# Altium PCB PCB_machcambienHall.PcbDoc
Units mm, origin at the board's own origin, x right, y up, seen from the top; angles counter-clockwise.
Board outline 230 x 125 mm, 2 copper layers (Top Layer, Bottom Layer); 189 components, 122 nets, 498 pads, 0 vias.
Unrouted connection lines stored in the file: 329.
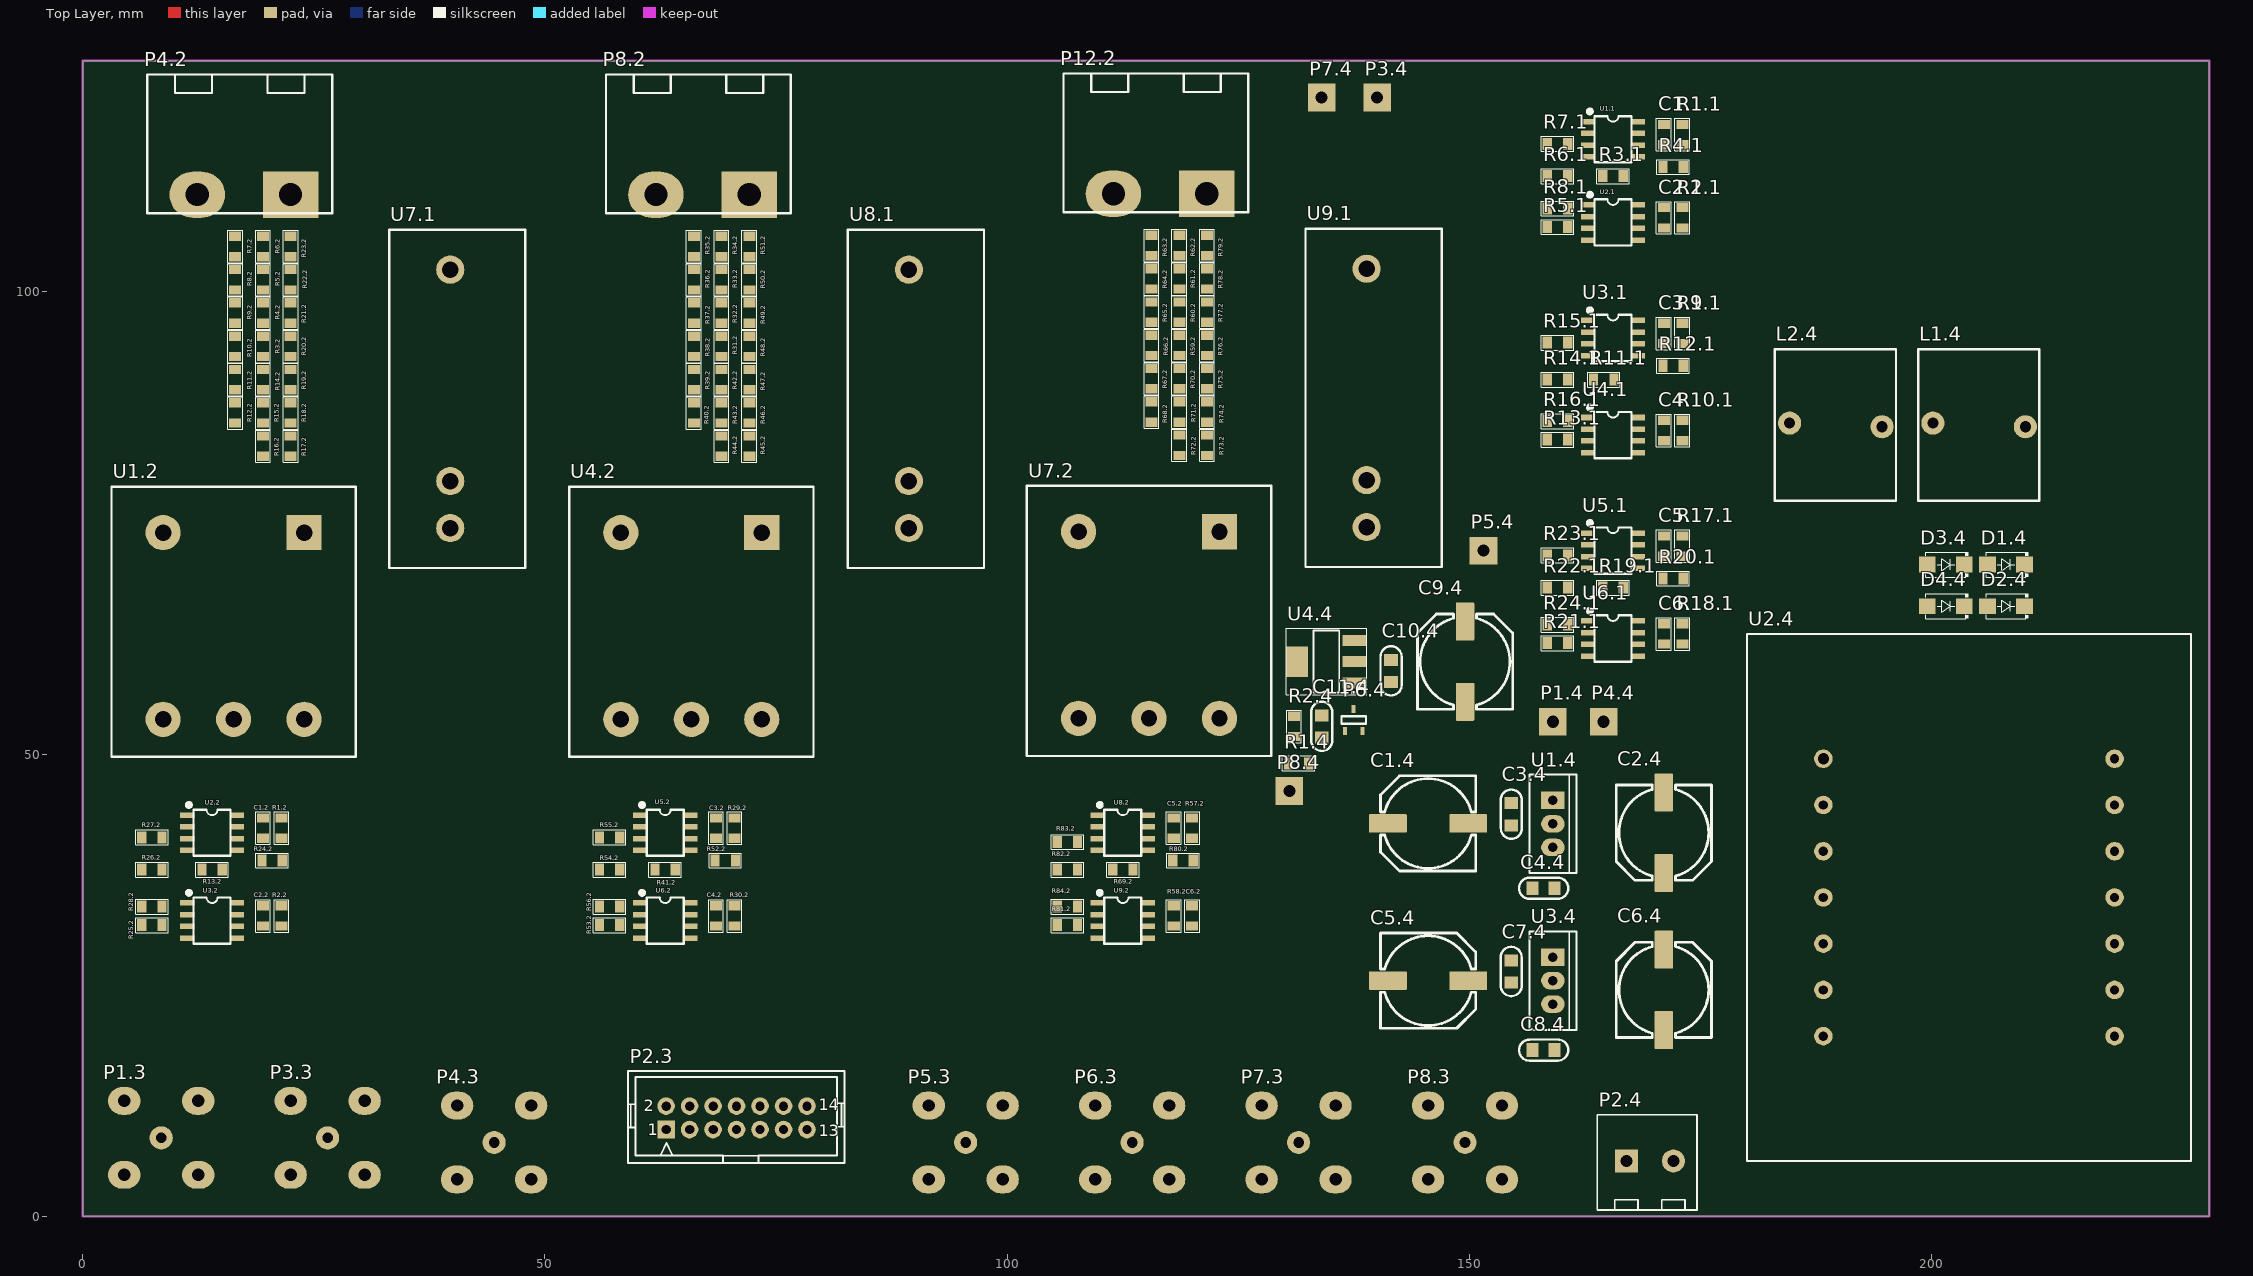
[diagram p0: Top Layer view]
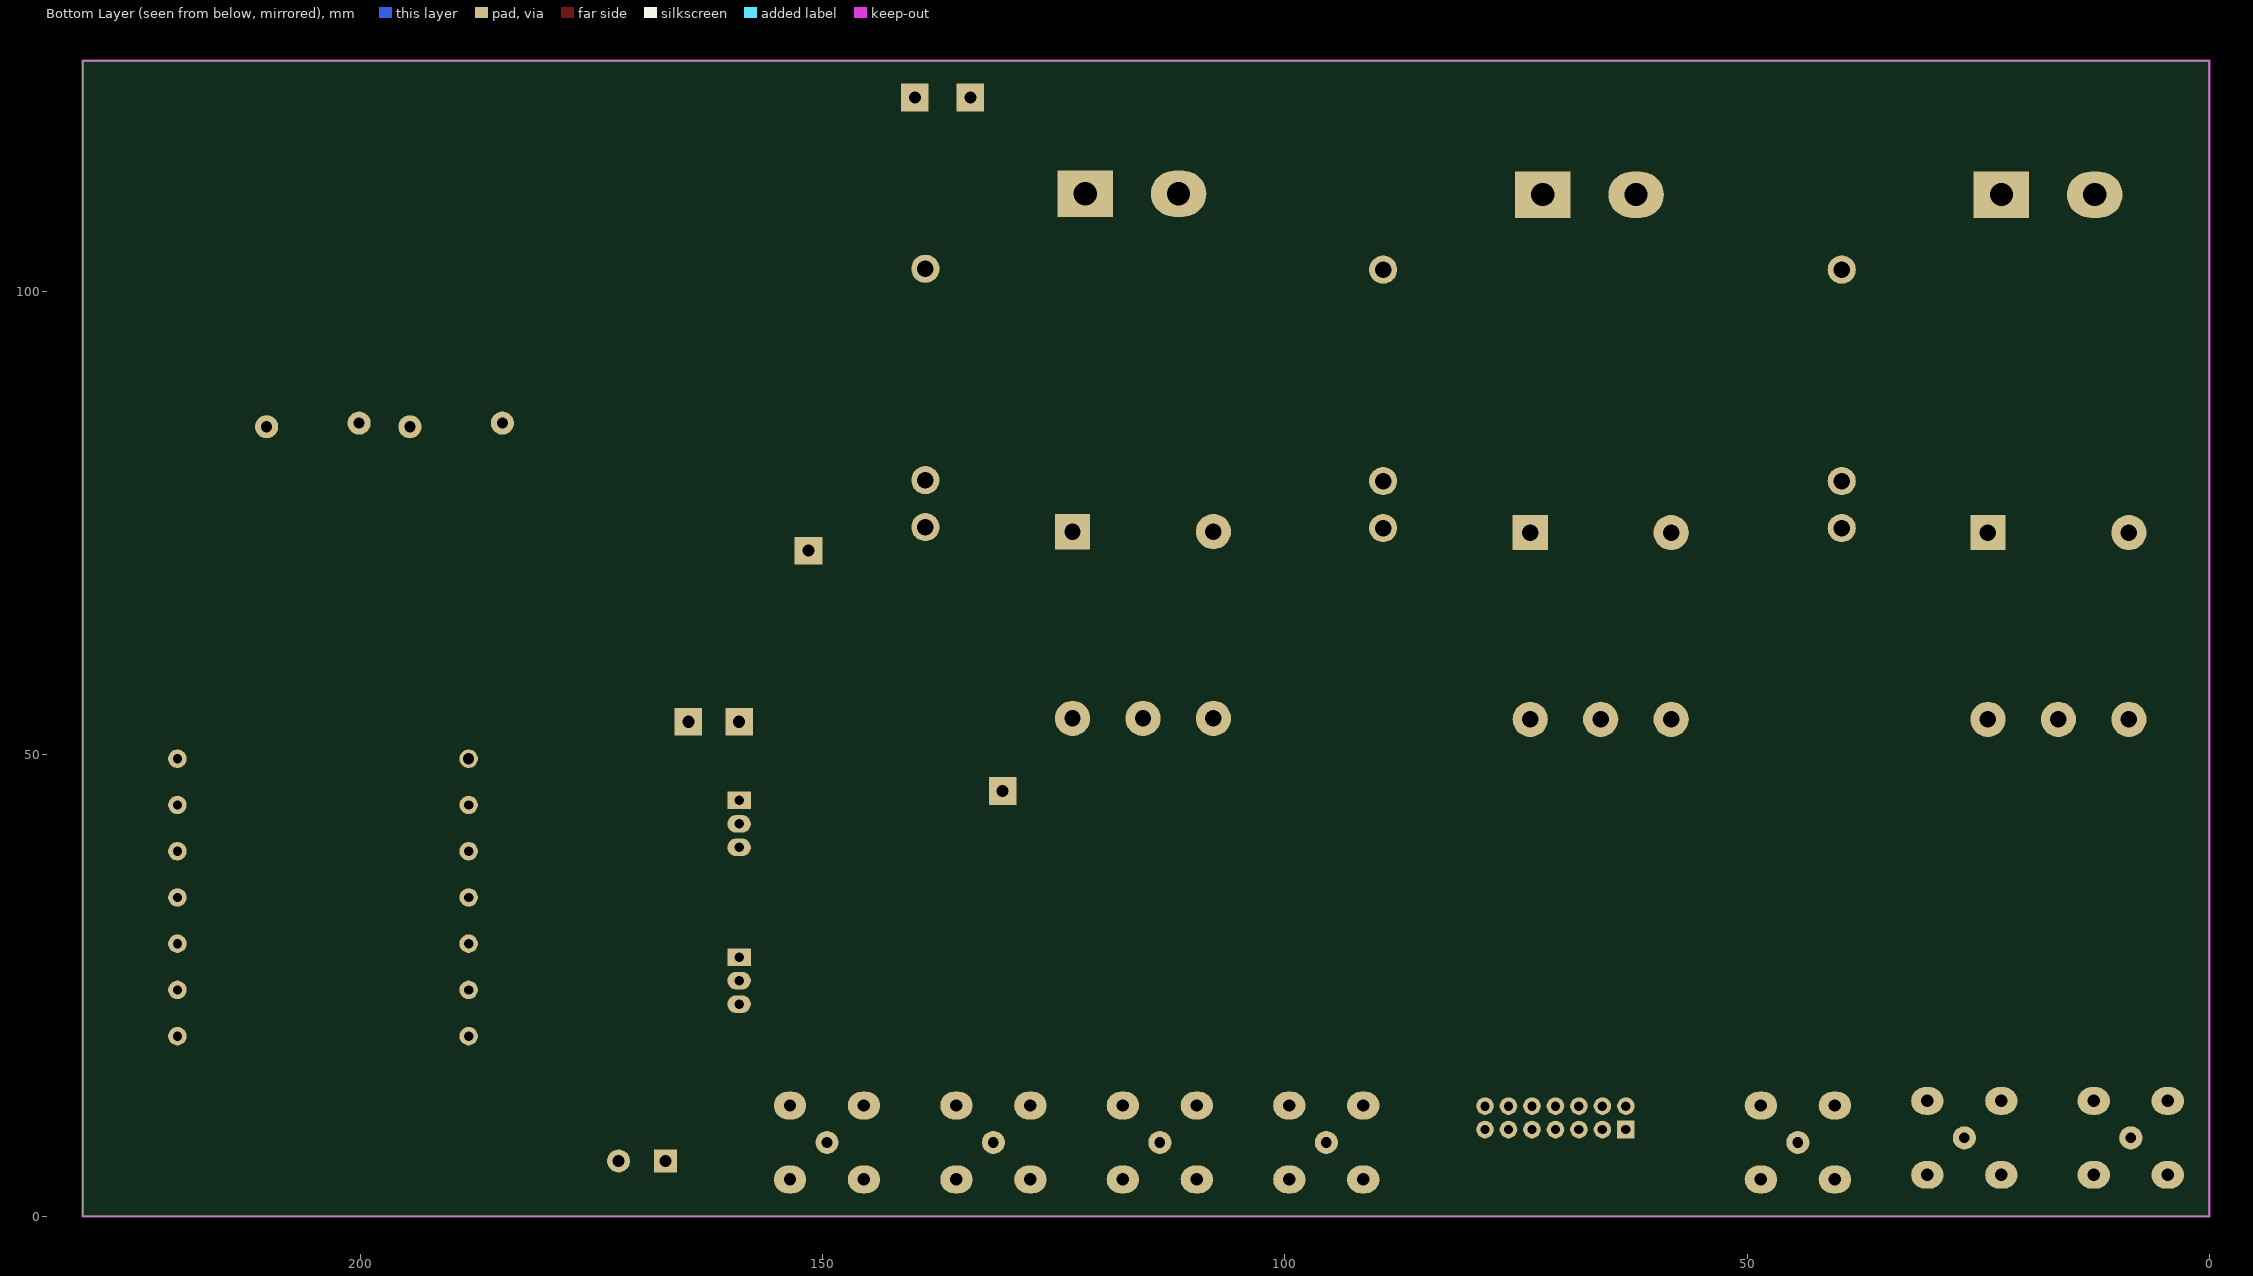
[diagram p1: Bottom Layer view, seen from below]

## Layer stack, top to bottom
Top Solder: solder mask 0.0102, Solder Resist, Dk 3.5
Top Layer: signal copper 0.0356
Dielectric 1: dielectric 0.32, FR-4, Dk 4.8
Bottom Layer: signal copper 0.0356
Bottom Solder: solder mask 0.0102, Solder Resist, Dk 3.5

## Board outline
0,0 230,0 230,125 0,125

## Design rules (kind name [scope] priority, off if disabled: settings)
Clearance [All] p1: gap=0.254
PolygonConnect [All] p1: connectstyle=Relief reliefconductorwidth=0.254 reliefentries=4 polygonreliefangle="90 Angle" airgapwidth=0.254
RoutingVias [All] p1: holewidth=0.711 width=1.27 viastyle="Through Hole" minholewidth=0.711 minwidth=1.27 maxholewidth=0.711 maxwidth=1.27
SolderMaskExpansion [All] p1: expansion=0.102
Width [All] p1: maxlimit=0.254 minlimit=0.254 preferedwidth=0.254
30 further rules are at their usual default settings.

## Classes and differential pairs
component class SCH_HallcurrentLA25p: C1.1 C2.1 C3.1 C4.1 C5.1 C6.1 R1.1 R2.1 R3.1 R4.1 R5.1 R6.1 R7.1 R8.1 R9.1 R10.1 R11.1 R12.1 R13.1 R14.1 R15.1 R16.1 R17.1 R18.1 R19.1 R20.1 R21.1 R22.1 R23.1 R24.1 U1.1 U2.1 U3.1 U4.1 U5.1 U6.1 U7.1 U8.1 U9.1
component class SCH_HallVoltageLV25np: C1.2 C2.2 C3.2 C4.2 C5.2 C6.2 P1.2 P2.2 P3.2 P4.2 P5.2 P6.2 P7.2 P8.2 P9.2 P10.2 P11.2 P12.2 R1.2 R2.2 R3.2 R4.2 R5.2 R6.2 R7.2 R8.2 R9.2 R10.2 R11.2 R12.2 R13.2 R14.2 R15.2 R16.2 R17.2 R18.2 R19.2 R20.2 R21.2 R22.2 R23.2 R24.2 R25.2 R26.2 R27.2 R28.2 R29.2 R30.2 R31.2 R32.2 R33.2 R34.2 R35.2 R36.2 R37.2 R38.2 R39.2 R40.2 R41.2 R42.2 R43.2 R44.2 R45.2 R46.2 R47.2 R48.2 R49.2 R50.2 R51.2 R52.2 R53.2 R54.2 R55.2 R56.2 R57.2 R58.2 R59.2 R60.2 R61.2 R62.2 R63.2 R64.2 R65.2 R66.2 R67.2 R68.2 R69.2 R70.2 R71.2 R72.2 R73.2 R74.2 R75.2 R76.2 R77.2 R78.2 R79.2 R80.2 R81.2 R82.2 R83.2 R84.2 U1.2 U2.2 U3.2 U4.2 U5.2 U6.2 U7.2 U8.2 U9.2
component class SCH_Output: P1.3 P2.3 P3.3 P4.3 P5.3 P6.3 P7.3 P8.3
component class SCH_power: C1.4 C2.4 C3.4 C4.4 C5.4 C6.4 C7.4 C8.4 C9.4 C10.4 C11.4 D1.4 D2.4 D3.4 D4.4 L1.4 L2.4 P1.4 P2.4 P3.4 P4.4 P5.4 P6.4 P7.4 P8.4 R1.4 R2.4 U1.4 U2.4 U3.4 U4.4

## Components (designator, comment, footprint, x,y, rotation, side; value= is the part's Value field where it differs from the comment)
C1.1 "100uF" CAPC0805 171,117 r270 top
C1.2 "Capacitor" CAPC0805 19.5,42 r270 top
C1.4 "Capacitor Polar" CAP_SMD_L=10.5 145.5,42.5 r0 top
C2.1 "100uF" CAPC0805 171,108 r90 top
C2.2 "Capacitor" CAPC0805 19.5,32.5 r90 top
C2.4 "Capacitor Polar" CAP_SMD_L=10.5 171,41.5 r90 top
C3.1 "100uF" CAPC0805 171,95.5 r270 top
C3.2 "Capacitor" CAPC0805 68.5,42 r270 top
C3.4 "100nF" C-NP-0805 154.5,43.5 r270 top
C4.1 "100uF" CAPC0805 171,85 r90 top
C4.2 "Capacitor" CAPC0805 68.5,32.5 r90 top
C4.4 "100nF" C-NP-0805 158,35.5 r180 top
C5.1 "100uF" CAPC0805 171,72.5 r270 top
C5.2 "Capacitor" CAPC0805 118,42 r270 top
C5.4 "Capacitor Polar" CAP_SMD_L=10.5 145.5,25.5 r180 top
C6.1 "100uF" CAPC0805 171,63 r90 top
C6.2 "Capacitor" CAPC0805 120,32.5 r90 top
C6.4 "Capacitor Polar" CAP_SMD_L=10.5 171,24.5 r270 top
C7.4 "100nF" C-NP-0805 154.5,26.5 r90 top
C8.4 "100nF" C-NP-0805 158,18 r180 top
C9.4 "Capacitor Polar" CAP_SMD_L=10.5 149.5,60 r270 top
C10.4 "100nF" C-NP-0805 141.5,59 r270 top
C11.4 "100nF" C-NP-0805 134,53 r270 top
D1.4 "Diode" DO-214AC 208,70.5 r0 top
D2.4 "Diode" DO-214AC 208,66 r0 top
D3.4 "Diode" DO-214AC 201.5,70.5 r0 top
D4.4 "Diode" DO-214AC 201.5,66 r0 top
L1.4 "Inductor" induction_coil 205,85.5 r180 top
L2.4 "Inductor" induction_coil 189.5,85.5 r180 top
P1.2 "testpin" tp_red_1p 1260.348,79.248 r0 top
P1.3 "BNC_2p" BNC_2p 8.5,8.5 r180 top
P1.4 "testpin" tp_red_1p 159,53.5 r0 top
P2.2 "testpin" tp_red_1p 1117.6,114.046 r90 top
P2.3 "header_2x7" hd_2x7 71,10.5 r0 top
P2.4 "Domino 2 pin" Domino_2pin_5.08mm 169.5,6 r0 top
P3.2 "testpin" tp_red_1p 1110.488,114.046 r90 top
P3.3 "BNC_2p" BNC_2p 26.5,8.5 r180 top
P3.4 "testpin" Tp_black_1p 140,121 r90 top
P4.2 "Domino 2 pin" terminal_2p_10mm 17,118.5 r180 top
P4.3 "BNC_2p" BNC_2p 44.5,8 r180 top
P4.4 "testpin" tp_red_1p 164.5,53.5 r0 top
P5.2 "testpin" tp_red_1p 923.544,114.046 r90 top
P5.3 "BNC_2p" BNC_2p 95.5,8 r180 top
P5.4 "testpin" tp_red_1p 151.5,72 r90 top
P6.2 "testpin" tp_red_1p 779.272,114.046 r90 top
P6.3 "BNC_2p" BNC_2p 113.5,8 r180 top
P6.4 "4.096V REF" SOT233 136.5,52.5 r0 top
P7.2 "testpin" tp_red_1p 772.16,114.046 r90 top
P7.3 "BNC_2p" BNC_2p 131.5,8 r180 top
P7.4 "testpin" tp_red_1p 134,121 r270 top
P8.2 "Domino 2 pin" terminal_2p_10mm 66.6,118.5 r180 top
P8.3 "BNC_2p" BNC_2p 149.5,8 r180 top
P8.4 "testpin" tp_red_1p 130.5,46 r180 top
P9.2 "testpin" tp_red_1p 585.216,114.046 r90 top
P10.2 "testpin" tp_red_1p 439.674,114.046 r90 top
P11.2 "testpin" tp_red_1p 431.546,114.046 r90 top
P12.2 "Domino 2 pin" terminal_2p_10mm 116.072,118.599 r180 top
R1.1 "Resistor" RESC0805 173,117 r90 top
R1.2 "Resistor" RESC0805 21.5,42 r90 top
R1.4 "Resistor" RESC0805 131.5,49 r0 top
R2.1 "Resistor" RESC0805 173,108 r270 top
R2.2 "Resistor" RESC0805 21.5,32.5 r270 top
R2.4 "Resistor" RESC0805 131,53 r270 top
R3.1 "Resistor" RESC0805 165.5,112.5 r180 top
R3.2 "Resistor" RESC0805 19.5,94.1 r90 top
R4.1 "Resistor" RESC0805 172,113.5 r180 top
R4.2 "Resistor" RESC0805 19.5,97.7 r270 top
R5.1 "Resistor" RESC0805 159.5,107 r180 top
R5.2 "Resistor" RESC0805 19.5,101.3 r90 top
R6.1 "Resistor" RESC0805 159.5,112.5 r0 top
R6.2 "Resistor" RESC0805 19.5,104.9 r270 top
R7.1 "Resistor" RESC0805 159.5,116 r0 top
R7.2 "Resistor" RESC0805 16.5,104.9 r270 top
R8.1 "Resistor" RESC0805 159.5,109 r0 top
R8.2 "Resistor" RESC0805 16.5,101.3 r90 top
R9.1 "Resistor" RESC0805 173,95.5 r90 top
R9.2 "Resistor" RESC0805 16.5,97.7 r270 top
R10.1 "Resistor" RESC0805 173,85 r270 top
R10.2 "Resistor" RESC0805 16.5,94.1 r90 top
R11.1 "Resistor" RESC0805 164.5,90.5 r180 top
R11.2 "Resistor" RESC0805 16.5,90.5 r270 top
R12.1 "Resistor" RESC0805 172,92 r180 top
R12.2 "Resistor" RESC0805 16.5,86.9 r90 top
R13.1 "Resistor" RESC0805 159.5,84 r180 top
R13.2 "Resistor" RESC0805 14,37.5 r180 top
R14.1 "Resistor" RESC0805 159.5,90.5 r0 top
R14.2 "Resistor" RESC0805 19.5,90.5 r270 top
R15.1 "Resistor" RESC0805 159.5,94.5 r0 top
R15.2 "Resistor" RESC0805 19.5,86.9 r90 top
R16.1 "Resistor" RESC0805 159.5,86 r0 top
R16.2 "Resistor" RESC0805 19.5,83.3 r270 top
R17.1 "Resistor" RESC0805 173,72.5 r90 top
R17.2 "Resistor" RESC0805 22.5,83.3 r270 top
R18.1 "Resistor" RESC0805 173,63 r270 top
R18.2 "Resistor" RESC0805 22.5,86.9 r90 top
R19.1 "Resistor" RESC0805 165.5,68 r180 top
R19.2 "Resistor" RESC0805 22.5,90.5 r270 top
R20.1 "Resistor" RESC0805 172,69 r180 top
R20.2 "Resistor" RESC0805 22.5,94.1 r90 top
R21.1 "Resistor" RESC0805 159.5,62 r180 top
R21.2 "Resistor" RESC0805 22.5,97.7 r270 top
R22.1 "Resistor" RESC0805 159.5,68 r0 top
R22.2 "Resistor" RESC0805 22.5,101.3 r90 top
R23.1 "Resistor" RESC0805 159.5,71.5 r0 top
R23.2 "Resistor" RESC0805 22.5,104.9 r270 top
R24.1 "Resistor" RESC0805 159.5,64 r0 top
R24.2 "Resistor" RESC0805 20.5,38.5 r180 top
R25.2 "Resistor" RESC0805 7.5,31.5 r180 top
R26.2 "Resistor" RESC0805 7.5,37.5 r0 top
R27.2 "Resistor" RESC0805 7.5,41 r0 top
R28.2 "Resistor" RESC0805 7.5,33.5 r0 top
R29.2 "Resistor" RESC0805 70.5,42 r90 top
R30.2 "Resistor" RESC0805 70.5,32.5 r270 top
R31.2 "Resistor" RESC0805 69.1,94.1 r90 top
R32.2 "Resistor" RESC0805 69.1,97.7 r270 top
R33.2 "Resistor" RESC0805 69.1,101.3 r90 top
R34.2 "Resistor" RESC0805 69.1,104.9 r270 top
R35.2 "Resistor" RESC0805 66.1,104.9 r270 top
R36.2 "Resistor" RESC0805 66.1,101.3 r90 top
R37.2 "Resistor" RESC0805 66.1,97.7 r270 top
R38.2 "Resistor" RESC0805 66.1,94.1 r90 top
R39.2 "Resistor" RESC0805 66.1,90.5 r270 top
R40.2 "Resistor" RESC0805 66.1,86.9 r90 top
R41.2 "Resistor" RESC0805 63,37.5 r180 top
R42.2 "Resistor" RESC0805 69.1,90.5 r270 top
R43.2 "Resistor" RESC0805 69.1,86.9 r90 top
R44.2 "Resistor" RESC0805 69.1,83.3 r270 top
R45.2 "Resistor" RESC0805 72.1,83.3 r270 top
R46.2 "Resistor" RESC0805 72.1,86.9 r90 top
R47.2 "Resistor" RESC0805 72.1,90.5 r270 top
R48.2 "Resistor" RESC0805 72.1,94.1 r90 top
R49.2 "Resistor" RESC0805 72.1,97.7 r270 top
R50.2 "Resistor" RESC0805 72.1,101.3 r90 top
R51.2 "Resistor" RESC0805 72.1,104.9 r270 top
R52.2 "Resistor" RESC0805 69.5,38.5 r180 top
R53.2 "Resistor" RESC0805 57,31.5 r180 top
R54.2 "Resistor" RESC0805 57,37.5 r0 top
R55.2 "Resistor" RESC0805 57,41 r0 top
R56.2 "Resistor" RESC0805 57,33.5 r0 top
R57.2 "Resistor" RESC0805 120,42 r90 top
R58.2 "Resistor" RESC0805 118,32.5 r270 top
R59.2 "Resistor" RESC0805 118.6,94.2 r90 top
R60.2 "Resistor" RESC0805 118.6,97.8 r270 top
R61.2 "Resistor" RESC0805 118.6,101.4 r90 top
R62.2 "Resistor" RESC0805 118.6,105 r270 top
R63.2 "Resistor" RESC0805 115.6,105 r270 top
R64.2 "Resistor" RESC0805 115.6,101.4 r90 top
R65.2 "Resistor" RESC0805 115.6,97.8 r270 top
R66.2 "Resistor" RESC0805 115.6,94.2 r90 top
R67.2 "Resistor" RESC0805 115.6,90.6 r270 top
R68.2 "Resistor" RESC0805 115.6,87 r90 top
R69.2 "Resistor" RESC0805 112.5,37.5 r180 top
R70.2 "Resistor" RESC0805 118.6,90.6 r270 top
R71.2 "Resistor" RESC0805 118.6,87 r90 top
R72.2 "Resistor" RESC0805 118.6,83.4 r270 top
R73.2 "Resistor" RESC0805 121.6,83.4 r270 top
R74.2 "Resistor" RESC0805 121.6,87 r90 top
R75.2 "Resistor" RESC0805 121.6,90.6 r270 top
R76.2 "Resistor" RESC0805 121.6,94.2 r90 top
R77.2 "Resistor" RESC0805 121.6,97.8 r270 top
R78.2 "Resistor" RESC0805 121.6,101.4 r90 top
R79.2 "Resistor" RESC0805 121.6,105 r270 top
R80.2 "Resistor" RESC0805 119,38.5 r180 top
R81.2 "Resistor" RESC0805 106.5,31.5 r180 top
R82.2 "Resistor" RESC0805 106.5,37.5 r0 top
R83.2 "Resistor" RESC0805 106.5,40.5 r0 top
R84.2 "Resistor" RESC0805 106.5,33.5 r0 top
U1.1 "opamp_741" SOIC-8_dan 165.5,116.5 r0 top
U1.2 "LEM Lv25_P" "LEN LV25_P" 16.2,63.8 r270 top
U1.4 "LM78xx" TO-220-3 159,45 r270 top
U2.1 "opamp_741" SOIC-8_dan 165.5,107.5 r0 top
U2.2 "opamp_741" SOIC-8_dan 14,41.5 r0 top
U2.4 "MBA 2VA" "mba 2Kva 48x57" 204,34.5 r0 top
U3.1 "opamp_741" SOIC-8_dan 165.5,95 r0 top
U3.2 "opamp_741" SOIC-8_dan 14,32 r0 top
U3.4 "79LXX" TO-220 159,25.5 r270 top
U4.1 "opamp_741" SOIC-8_dan 165.5,84.5 r0 top
U4.2 "LEM Lv25_P" "LEN LV25_P" 65.7,63.8 r270 top
U4.4 "LM1117MP-3.3TR" AMS1117 134.5,60 r180 top
U5.1 "opamp_741" SOIC-8_dan 165.5,72 r0 top
U5.2 "opamp_741" SOIC-8_dan 63,41.5 r0 top
U6.1 "opamp_741" SOIC-8_dan 165.5,62.5 r0 top
U6.2 "opamp_741" SOIC-8_dan 63,32 r0 top
U7.1 "LEM LA25_P" "LEM LA25_P" 40.9,88.8 r90 top
U7.2 "LEM Lv25_P" "LEN LV25_P" 115.2,63.9 r270 top
U8.1 "LEM LA25_P" "LEM LA25_P" 90.5,88.8 r90 top
U8.2 "opamp_741" SOIC-8_dan 112.5,41.5 r0 top
U9.1 "LEM LA25_P" "LEM LA25_P" 140,88.9 r90 top
U9.2 "opamp_741" SOIC-8_dan 112.5,32 r0 top

## Footprints (in the part's own frame and the unit in brackets; to place one, negate y for a bottom-side part, rotate by r counter-clockwise, add the part's x,y. Pads: shape width x height; smd on the part's side, far side on the other; paste and mask are expansions set on the pad)
AMS1117 [mm]
  rect 2.5x1.2 smd: 1(-3.027,2.3) 2(-3.027,0) 3(-3.027,-2.3)
  rect 2.4x3.3 smd: 2(3.154,0)
  silkscreen extent -4.35,-3.6 4.35,3.6, body extent -3.39,-3.27 3.5,3.23, height 1.72
BNC_2p [mm]
  round 2.5 hole 1.15: 1(0,0)
  oval 3.5x3 hole 1.35: 2(-4,4) 2(-4,-4) 2(4,4) 2(4,-4)
  body extent -6.5,-4.97 6.5,25.03, height 14.35
C-NP-0805 [mm] "Chip Capacitor; Non-polarized; Body 2.0 x 1.3 mm (LxW typ) [2012]"
  rect 1.3x1.5 smd: 1(-1.194,0) 2(1.194,0)
  silkscreen extent -2.67,-1.14 2.66,1.14, body extent -0.8,-0.43 0.8,0.43, height 0.79
CAP_SMD_L=10.5 [mm]
  rrect10% 4.1x2 smd mask+0.1: 1(-4.35,0) 2(4.35,0)
  silkscreen extent -5.15,-5.15 5.15,5.15, body extent -5.8,-5.15 5.8,5.15, height 10.2
CAPC0805 [mm] "Chip Capacitor, Body 2.0x1.3mm, IPC High Density"
  rect 1x1.3 smd: 1(-1.1,0) 2(1.1,0)
  silkscreen extent -1.75,-0.8 1.75,0.8, body extent -1.19,-0.72 1.21,0.74, height 0.65
DO-214AC [mm]
  rect 1.8x1.7 smd: 1(-2,0) 2(2,0)
  silkscreen extent -2.15,-1.36 2.45,1.36, body extent -2.49,-1.35 2.51,1.35, height 2.2
Domino_2pin_5.08mm [mm]
  rect 2.5x2.5 hole 1.3: 1(-2.54,0)
  round 2.5 hole 1.3: 2(2.54,0)
  silkscreen extent -5.7,-5.3 5.1,5, body extent -5.68,-5.3 5.08,5, height 14.19
hd_2x7 [mm]
  rect 1.905x1.905 hole 1.016: 1(-7.9,-1.1)
  round 1.905 hole 1.016: 2(-7.9,1.44) 3(-5.36,-1.1) 4(-5.36,1.44) 5(-2.82,-1.1) 6(-2.82,1.44) 7(-0.28,-1.1) 8(-0.28,1.44) 9(2.26,-1.1) 10(2.26,1.44) 11(4.8,-1.1) 12(4.8,1.44) 13(7.34,-1.1) 14(7.34,1.44)
  silkscreen extent -12,-4.7 11.4,5.22, body extent -11.09,-4.4 10.49,4.97, height 9.27
induction_coil [mm]
  round 2.5 hole 1.2: 1(-5.1,0.1) 2(4.9,-0.3)
  silkscreen extent -6.6,-8.3 6.5,8.1, body extent -5.6,-8.08 5.4,7.88, height 18.62
"LEM LA25_P" [mil]
  round 120 hole 70: 1(-565,45) 2(-365,45) 3(535,45)
  silkscreen extent -735,-275 705,305, body extent -735,-269 702,299, height 1135
"LEN LV25_P" [mil]
  rect 150x150 hole 70: 1(-400,305)
  round 150 hole 70: 2(-400,-295) 3(395,-295) 4(395,5) 5(395,305)
  silkscreen extent -595,-515 555,525, body extent -545,-505 605,519, height 708
"mba 2Kva 48x57" [mm]
  round 2 hole 1.2: 0(-15.75,15)
  round 2 hole 1: 1(15.75,15) 2(-15.75,10) 3(15.75,10) 4(-15.75,5) 5(15.75,5) 6(-15.75,0) 7(15.75,0) 8(-15.75,-5) 9(15.75,-5) 10(-15.75,-10) 11(15.75,-10) 12(-15.75,-15) 13(15.75,-15)
  round 3.175 on Top Overlay: ""(-18.42,21.615)
  silkscreen extent -24,-28.5 24,28.5, body extent -16,-17.5 15.5,17.5, height 28.93
RESC0805 [mm] "Chip Resistor, Body 2.0x1.3mm, IPC High Density"
  rect 1x1.3 smd: 1(-1.1,0) 2(1.1,0)
  silkscreen extent -1.75,-0.8 1.75,0.8, body extent -0.99,-0.62 1.01,0.63, height 0.45
SOIC-8_dan [mm]
  rect 1.55x0.6 smd: 1(-2.7,1.905) 2(-2.7,0.635) 3(-2.7,-0.635) 4(-2.7,-1.905) 5(2.7,-1.905) 6(2.7,-0.635) 7(2.7,0.635) 8(2.7,1.905)
  silkscreen extent -2.8,-2.5 2,3.3, body extent -3,-2.45 3,2.45, height 1.7
SOT233 [mm]
  rect 0.44x0.9 smd: 1(0,0) 2(1.92,0) 3(0.96,2.37)
  silkscreen extent -0.36,0.79 2.29,1.6, body extent -0.49,-0.05 2.43,2.43, height 1.04
terminal_2p_10mm [mm]
  rect 6x5 hole 2.5: 1(-5.5,8)
  oval 6x5 hole 2.5: 2(4.6,8)
  silkscreen extent -10,-5 10,10, body extent -10.4,-4.65 10.6,9.85, height 14.5
TO-220 [mil]
  rect 75x100 hole 40: 1(-100,0)
  oval 75x100 hole 40: 2(0,0) 3(100,0)
  silkscreen extent -210,-100 210,100, body extent -195,-83 195,94, height 760
TO-220-3 [mil] "TO-220; 3 Leads; Solder Pad 35mil"
  rect 75x100 hole 40: 1(0,0)
  oval 75x100 hole 40: 2(100,0) 3(200,0)
  silkscreen extent -110,-100 310,100, body extent -95,-83 295,94, height 760
Tp_black_1p [mm]
  rect 3x3 hole 1.3: 1(0,0)
  body extent -1.15,-1.15 1.15,1.15, height 5
tp_red_1p [mm]
  rect 3x3 hole 1.3: 1(0,0)
  body extent -1.15,-1.15 1.15,1.15, height 5

## Part data
C1.1 C1.2 C2.1 C2.2 C3.1 C3.2 C3.4 C4.1 C4.2 C4.4 C5.1 C5.2 C6.1 C6.2 C7.4 C8.4 C10.4 C11.4: library part capacitor_non_polar, "capacitor non polar"
C1.4 C2.4 C5.4 C6.4 C9.4: library part "capacitor_polar 6.3x11mm", "capacitor polar"
D1.4 D2.4 D3.4 D4.4: library part diode, "diode"
P2.3: library part header_2x7pin
P2.4: library part domino_2pin, "domino 2 pin"
P4.2 P8.2 P12.2: library part terminal_2p, "domino 2 pin"
P6.4: library part MCP1541T
R1.1 R1.2 R1.4 R2.1 R2.2 R2.4 R3.1 R3.2 R4.1 R4.2 R5.1 R5.2 R6.1 R6.2 R7.1 R7.2 R8.1 R8.2 R9.1 R9.2 R10.1 R10.2 R11.1 R11.2 R12.1 R12.2 R13.1 R13.2 R14.1 R14.2 R15.1 R15.2 R16.1 R16.2 R17.1 R17.2 R18.1 R18.2 R19.1 R19.2 R20.1 R20.2 R21.1 R21.2 R22.1 R22.2 R23.1 R23.2 R24.1 R24.2 R25.2 R26.2 R27.2 R28.2 R29.2 R30.2 R31.2 R32.2 R33.2 R34.2 R35.2 R36.2 R37.2 R38.2 R39.2 R40.2 R41.2 R42.2 R43.2 R44.2 R45.2 R46.2 R47.2 R48.2 R49.2 R50.2 R51.2 R52.2 R53.2 R54.2 R55.2 R56.2 R57.2 R58.2 R59.2 R60.2 R61.2 R62.2 R63.2 R64.2 R65.2 R66.2 R67.2 R68.2 R69.2 R70.2 R71.2 R72.2 R73.2 R74.2 R75.2 R76.2 R77.2 R78.2 R79.2 R80.2 R81.2 R82.2 R83.2 R84.2: library part resistor, "resistor"
U1.1 U2.1 U2.2 U3.1 U3.2 U4.1 U5.1 U5.2 U6.1 U6.2 U8.2 U9.2: library part "opamp 741"
U1.2 U4.2 U7.2: library part "LEM LV25_P"
U1.4: "Regulator"
U2.4: library part "MBA 2Va 48x57 mm"
U3.4: library part LM79LXX, "3-Terminal Negative Regulator"
U4.4: "3.3V 800mA Low-Dropout Linear Regulator"

## Nets (pads, with @x,y where several pads share a name; then routed paths per layer and width w, separated by ;. In a path a pad name is that pad's centre, name@x,y a point inside that pad or via, vN(x,y) a via of type N, cw(c..) or ccw(c..) an arc to the next point about the centre after c; other vN are vias at no path point)
+15V: C2.4.1 C4.4.1 P1.4.1 U1.1.7 U1.2.4 U1.4.3 U2.1.7 U2.2.7 U3.1.7 U3.2.7 U4.1.7 U4.2.4 U4.4.3 U5.1.7 U5.2.7 U6.1.7 U6.2.7 U7.1.3 U7.2.4 U8.1.3 U8.2.7 U9.1.3 U9.2.7
-15V: C6.4.2 C8.4.1 P4.4.1 U1.1.4 U1.2.5 U2.1.4 U2.2.4 U3.1.4 U3.2.4 U3.4.3 U4.1.4 U4.2.5 U5.1.4 U5.2.4 U6.1.4 U6.2.4 U7.1.2 U7.2.5 U8.1.2 U8.2.4 U9.1.2 U9.2.4
GND: C1.4.2 C2.4.2 C3.4.2 C4.4.2 C5.4.1 C6.4.1 C7.4.2 C8.4.2 C9.4.2 C10.4.2 C11.4.1 P1.3.2 P2.3.2 P2.3.4 P2.3.6 P2.3.8 P2.3.10 P2.3.12 P2.3.14 P3.3.2 P3.4.1 P4.3.2 P5.3.2 P6.3.2 P6.4.3 P7.3.2 P7.4.1 P8.3.2 R2.4.1 R6.1.1 R7.1.1 R8.1.1 R14.1.1 R15.1.1 R16.1.1 R22.1.1 R23.1.1 R24.1.1 R26.2.1 R27.2.1 R28.2.1 R54.2.1 R55.2.1 R56.2.1 R82.2.1 R83.2.1 R84.2.1 U1.4.2 U3.4.1 U4.4.1
NetC1.1_1: C1.1.1 R1.1.2 R3.1.1 U1.1.2
NetC1.1_2: C1.1.2 R1.1.1 R4.1.2 U1.1.6
NetC1.2_1: C1.2.1 R1.2.2 R13.2.1 U2.2.2
NetC1.2_2: C1.2.2 P2.2.1 R1.2.1 R24.2.2 U2.2.6
NetC1.4_1: C1.4.1 C3.4.1 L1.4.2 U1.4.1
NetC2.1_1: C2.1.1 R2.1.2 R4.1.1 U2.1.2
NetC2.1_2: C2.1.2 P2.3.7 P5.3.1 R2.1.1 U2.1.6
NetC2.2_1: C2.2.1 R2.2.2 R24.2.1 U3.2.2
NetC2.2_2: C2.2.2 P1.3.1 P2.3.1 P3.2.1 R2.2.1 U3.2.6
NetC3.1_1: C3.1.1 R9.1.2 R11.1.1 U3.1.2
NetC3.1_2: C3.1.2 R9.1.1 R12.1.2 U3.1.6
NetC3.2_1: C3.2.1 R29.2.2 R41.2.1 U5.2.2
NetC3.2_2: C3.2.2 P6.2.1 R29.2.1 R52.2.2 U5.2.6
NetC4.1_1: C4.1.1 R10.1.2 R12.1.1 U4.1.2
NetC4.1_2: C4.1.2 P2.3.9 P6.3.1 R10.1.1 U4.1.6
NetC4.2_1: C4.2.1 R30.2.2 R52.2.1 U6.2.2
NetC4.2_2: C4.2.2 P2.3.3 P3.3.1 P7.2.1 R30.2.1 U6.2.6
NetC5.1_1: C5.1.1 R17.1.2 R19.1.1 U5.1.2
NetC5.1_2: C5.1.2 R17.1.1 R20.1.2 U5.1.6
NetC5.2_1: C5.2.1 R57.2.2 R69.2.1 U8.2.2
NetC5.2_2: C5.2.2 P10.2.1 R57.2.1 R80.2.2 U8.2.6
NetC5.4_2: C5.4.2 C7.4.1 L2.4.2 U3.4.2
NetC6.1_1: C6.1.1 R18.1.2 R20.1.1 U6.1.2
NetC6.1_2: C6.1.2 P2.3.11 P7.3.1 R18.1.1 U6.1.6
NetC6.2_1: C6.2.1 R58.2.2 R80.2.1 U9.2.2
NetC6.2_2: C6.2.2 P2.3.5 P4.3.1 P11.2.1 R58.2.1 U9.2.6
NetC9.4_1: C9.4.1 C10.4.1 P5.4.1 P6.4.1 U4.4.2
NetC11.4_2: C11.4.2 P2.3.13 P8.3.1 P8.4.1 R1.4.1 R2.4.2 R5.1.2 R13.1.2 R21.1.2 R25.2.2 R53.2.2 R81.2.2
NetD1.4_1: D1.4.1 D3.4.2 U2.4.3
NetD1.4_2: D1.4.2 D2.4.2 L1.4.1
NetD2.4_1: D2.4.1 D4.4.2 U2.4.11
NetD3.4_1: D3.4.1 D4.4.1 L2.4.1
NetP1.2_1: P1.2.1 R13.2.2 R26.2.2 U1.2.3
NetP2.4_1: P2.4.1 U2.4.0
NetP2.4_2: P2.4.2 U2.4.12
NetP4.2_1: P4.2.1 R23.2.1
NetP4.2_2: P4.2.2 U1.2.2
NetP5.2_1: P5.2.1 R41.2.2 R54.2.2 U4.2.3
NetP6.4_2: P6.4.2 R1.4.2
NetP8.2_1: P8.2.1 R51.2.1
NetP8.2_2: P8.2.2 U4.2.2
NetP9.2_1: P9.2.1 R69.2.2 R82.2.2 U7.2.3
NetP12.2_1: P12.2.1 R79.2.1
NetP12.2_2: P12.2.2 U7.2.2
NetR3.1_2: R3.1.2 R6.1.2 U7.1.1
NetR3.2_1: R3.2.1 R14.2.1
NetR3.2_2: R3.2.2 R4.2.2
NetR4.2_1: R4.2.1 R5.2.1
NetR5.1_1: R5.1.1 R8.1.2 U2.1.3
NetR5.2_2: R5.2.2 R6.2.2
NetR6.2_1: R6.2.1 R7.2.1
NetR7.1_2: R7.1.2 U1.1.3
NetR7.2_2: R7.2.2 R8.2.2
NetR8.2_1: R8.2.1 R9.2.1
NetR9.2_2: R9.2.2 R10.2.2
NetR10.2_1: R10.2.1 R11.2.1
NetR11.1_2: R11.1.2 R14.1.2 U8.1.1
NetR11.2_2: R11.2.2 R12.2.2
NetR12.2_1: R12.2.1 U1.2.1
NetR13.1_1: R13.1.1 R16.1.2 U4.1.3
NetR14.2_2: R14.2.2 R15.2.2
NetR15.1_2: R15.1.2 U3.1.3
NetR15.2_1: R15.2.1 R16.2.1
NetR16.2_2: R16.2.2 R17.2.2
NetR17.2_1: R17.2.1 R18.2.1
NetR18.2_2: R18.2.2 R19.2.2
NetR19.1_2: R19.1.2 R22.1.2 U9.1.1
NetR19.2_1: R19.2.1 R20.2.1
NetR20.2_2: R20.2.2 R21.2.2
NetR21.1_1: R21.1.1 R24.1.2 U6.1.3
NetR21.2_1: R21.2.1 R22.2.1
NetR22.2_2: R22.2.2 R23.2.2
NetR23.1_2: R23.1.2 U5.1.3
NetR25.2_1: R25.2.1 R28.2.2 U3.2.3
NetR27.2_2: R27.2.2 U2.2.3
NetR31.2_1: R31.2.1 R42.2.1
NetR31.2_2: R31.2.2 R32.2.2
NetR32.2_1: R32.2.1 R33.2.1
NetR33.2_2: R33.2.2 R34.2.2
NetR34.2_1: R34.2.1 R35.2.1
NetR35.2_2: R35.2.2 R36.2.2
NetR36.2_1: R36.2.1 R37.2.1
NetR37.2_2: R37.2.2 R38.2.2
NetR38.2_1: R38.2.1 R39.2.1
NetR39.2_2: R39.2.2 R40.2.2
NetR40.2_1: R40.2.1 U4.2.1
NetR42.2_2: R42.2.2 R43.2.2
NetR43.2_1: R43.2.1 R44.2.1
NetR44.2_2: R44.2.2 R45.2.2
NetR45.2_1: R45.2.1 R46.2.1
NetR46.2_2: R46.2.2 R47.2.2
NetR47.2_1: R47.2.1 R48.2.1
NetR48.2_2: R48.2.2 R49.2.2
NetR49.2_1: R49.2.1 R50.2.1
NetR50.2_2: R50.2.2 R51.2.2
NetR53.2_1: R53.2.1 R56.2.2 U6.2.3
NetR55.2_2: R55.2.2 U5.2.3
NetR59.2_1: R59.2.1 R70.2.1
NetR59.2_2: R59.2.2 R60.2.2
NetR60.2_1: R60.2.1 R61.2.1
NetR61.2_2: R61.2.2 R62.2.2
NetR62.2_1: R62.2.1 R63.2.1
NetR63.2_2: R63.2.2 R64.2.2
NetR64.2_1: R64.2.1 R65.2.1
NetR65.2_2: R65.2.2 R66.2.2
NetR66.2_1: R66.2.1 R67.2.1
NetR67.2_2: R67.2.2 R68.2.2
NetR68.2_1: R68.2.1 U7.2.1
NetR70.2_2: R70.2.2 R71.2.2
NetR71.2_1: R71.2.1 R72.2.1
NetR72.2_2: R72.2.2 R73.2.2
NetR73.2_1: R73.2.1 R74.2.1
NetR74.2_2: R74.2.2 R75.2.2
NetR75.2_1: R75.2.1 R76.2.1
NetR76.2_2: R76.2.2 R77.2.2
NetR77.2_1: R77.2.1 R78.2.1
NetR78.2_2: R78.2.2 R79.2.2
NetR81.2_1: R81.2.1 R84.2.2 U9.2.3
NetR83.2_2: R83.2.2 U8.2.3
pads on no net: U1.1.1 U1.1.5 U1.1.8 U2.1.1 U2.1.5 U2.1.8 U2.2.1 U2.2.5 U2.2.8 U2.4. U2.4.1 U2.4.2 U2.4.4 U2.4.5 U2.4.6 U2.4.7 U2.4.8 U2.4.9 U2.4.10 U2.4.13 U3.1.1 U3.1.5 U3.1.8 U3.2.1 U3.2.5 U3.2.8 U4.1.1 U4.1.5 U4.1.8 U5.1.1 U5.1.5 U5.1.8 U5.2.1 U5.2.5 U5.2.8 U6.1.1 U6.1.5 U6.1.8 U6.2.1 U6.2.5 U6.2.8 U8.2.1 U8.2.5 U8.2.8 U9.2.1 U9.2.5 U9.2.8

## Keep-outs
Keep-Out Layer:
  lines w0.25: 597.027,11.938 597.027,136.938 597.789,136.938 ; 0,0 0,125 230,125 230,0 0,0

## Text inside footprints (layer, text, board x,y; h text height)
P2.3: Top Overlay "13" at 79.6,8.7 h1.27; Top Overlay "14" at 79.6,11.5 h1.27; Top Overlay "1" at 61.1,8.8 h1.27; Top Overlay "2" at 60.7,11.4 h1.27